# KiCad board AMC_FMC_Carrier-PcbDoc.kicad_pcb (continued)
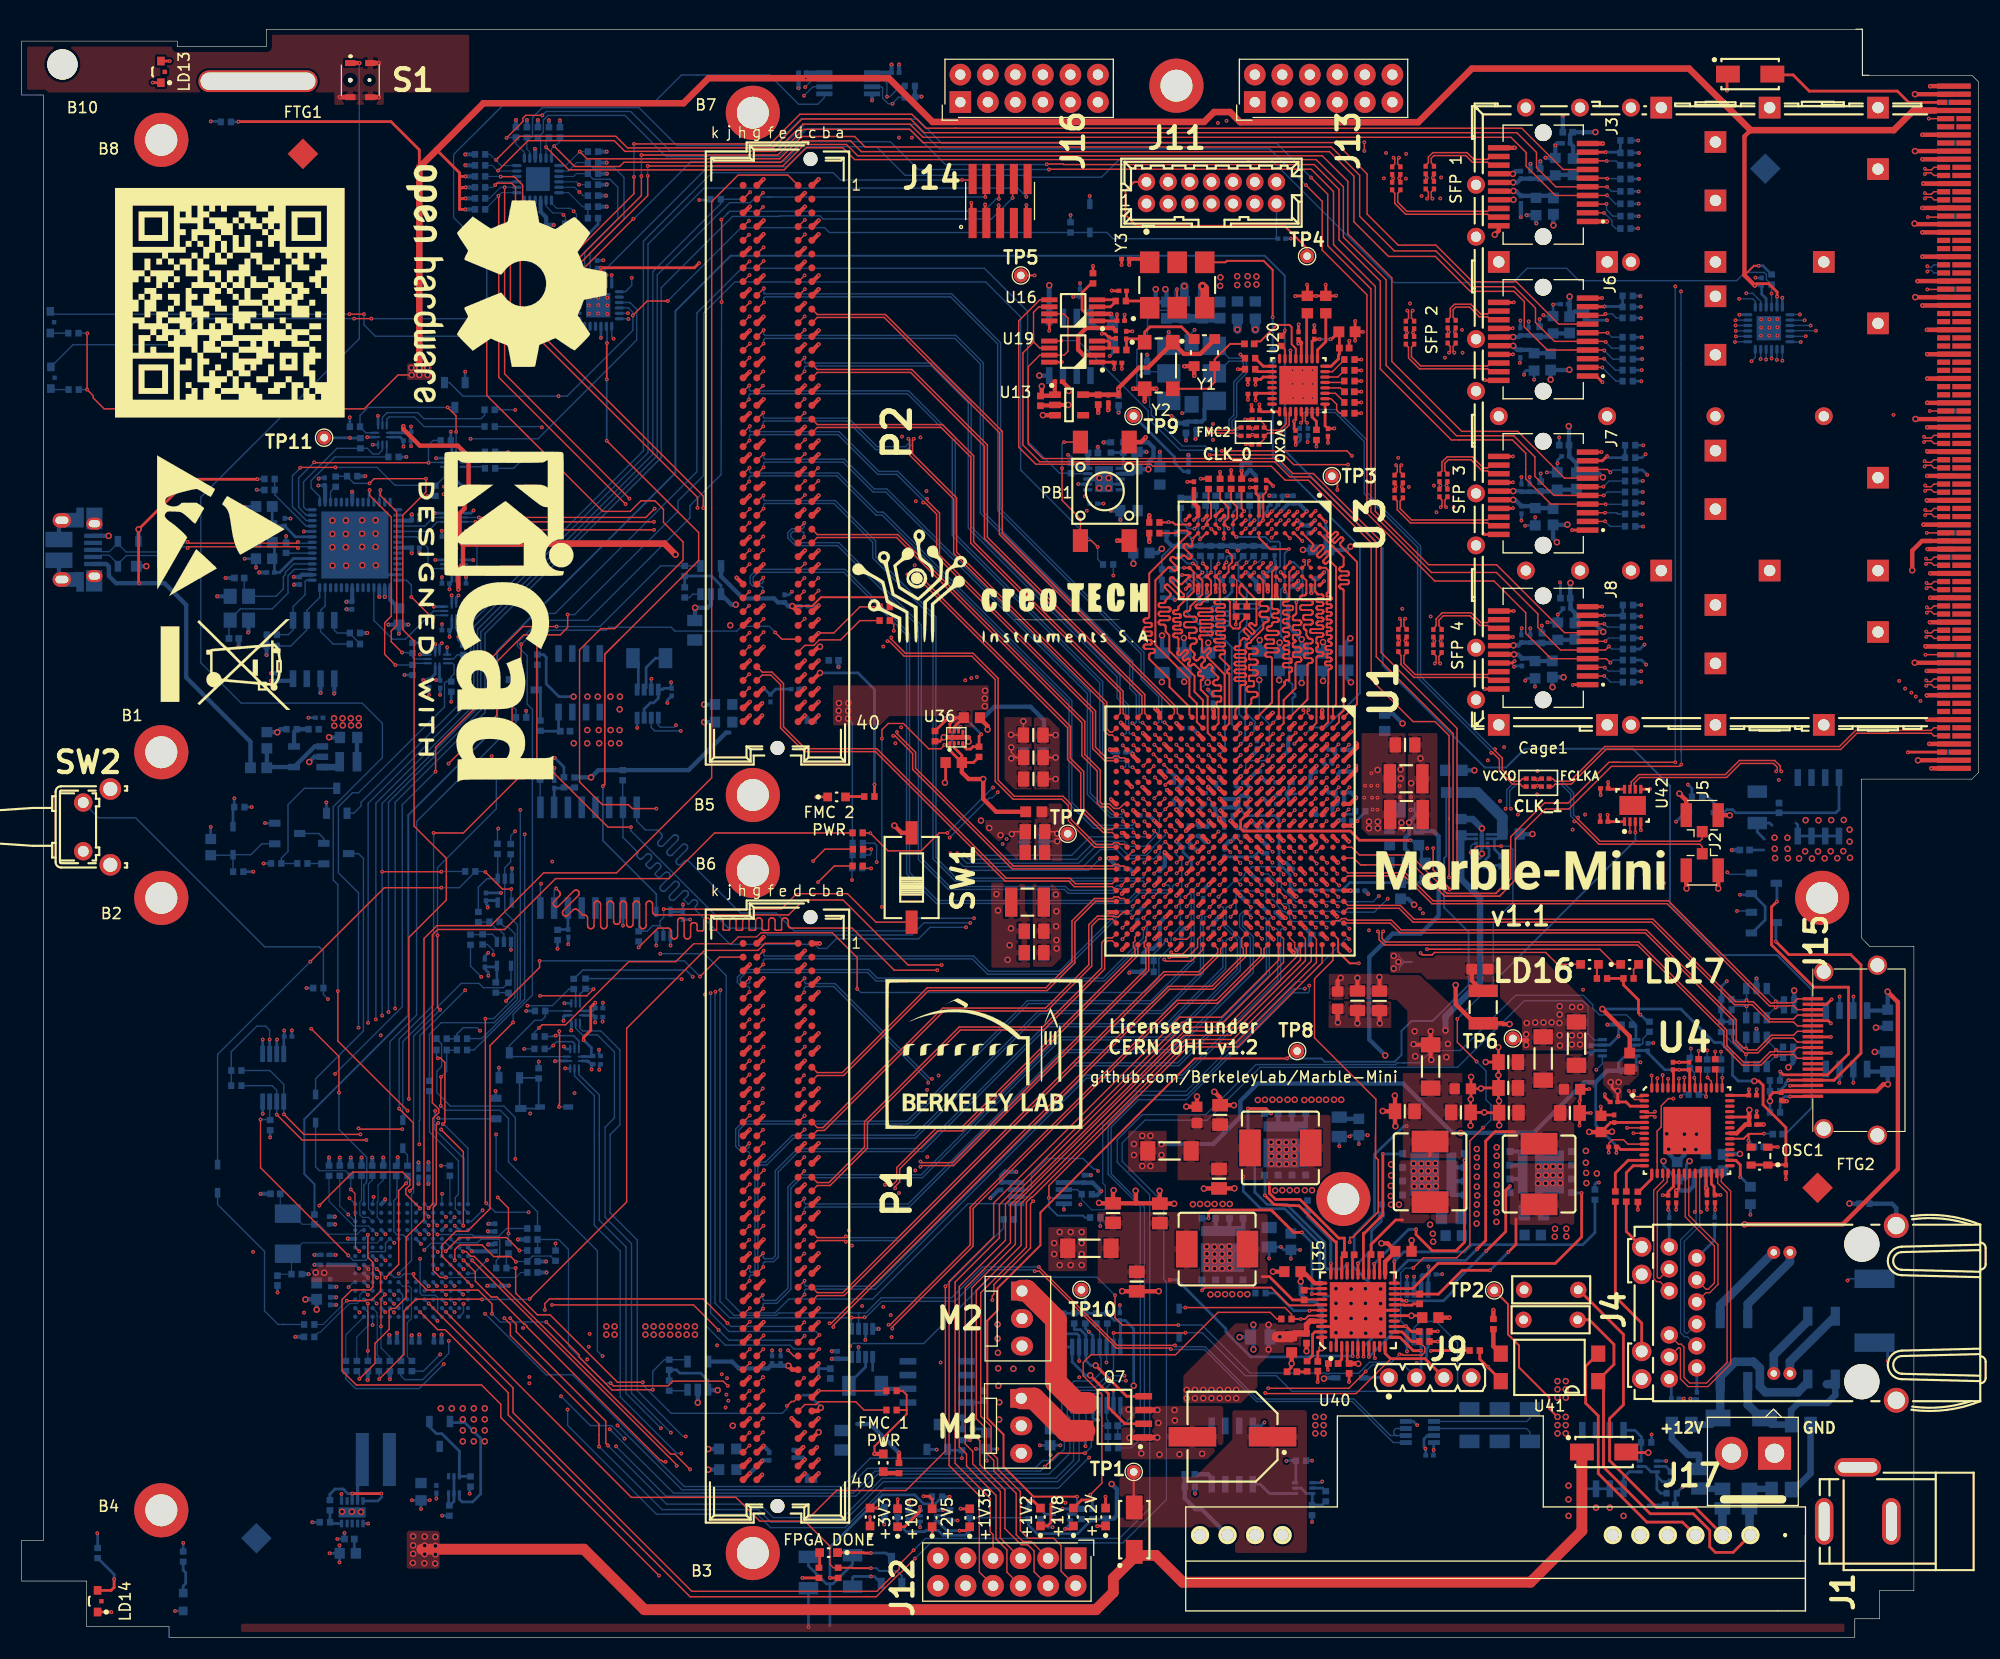
[diagram p0: board, top side]
## Routing (per net, layer and track width the routed paths; a pad name or vN(x,y) marks a point on that pad's centre or on a via; arc(x,y) is an arc through that point) (continued)
+3V3: length 178.5
  Top w0.178: v1(93.5,125.77) TP5.1
  Top w0.254: v1(130.71,28.26) 129.95,28.26 R167.1 ; v1(146.38,75.96) 146.4,75.94 C377.1 146.4,75.32 U42.1 ; R306.1 R307.1 147.84,60.25 149.23,58.87 149.23,57.67 v1(149.4,57.49) ; v1(72.06,5.5) 72.07,5.49 R163.1 ; v1(146.43,78.98) 146.42,78.98 C376.1 146.5,78.32 U42.8
  Top w0.381: C283.1 121.46,60.62 v2(121.74,60.9) ; v1(73.56,16.42) 72.96,15.82 P1.c39 ; 130.36,54.72 L31.2 ; P1.d40 71.69,14.55 v1(72.29,15.15) ; P2.d40 71.72,84.56 v1(72.29,85.13) ; L31.2 128.53,54.72 v2(128.47,54.77) ; L31.2 v2(130.05,55.97) ; L31.2 129.69,54.72 ; L31.2 130.05,53.38 v2(130.1,53.33) ; P1.d36 v1(71.07,20.23) ; U1.A17 122.64,68.96 v1(122.66,68.95) ; P2.c39 72.99,85.83 v1(73.56,86.4) ; U1.F22 117.03,63.59 v1(117.39,63.23) ; 131.56,54.72 v2(131.65,54.8) ; v1(118.45,70.52) 118.03,70.94 U1.E15 ; v2(125.32,60.97) 125.34,60.96 C287.1 ; v1(72.29,87.67) 71.72,87.1 P2.d38 ; v1(72.29,90.21) 71.72,89.64 P2.d36 ; U1.B14 121.44,71.55 v1(121.51,71.55) ; v1(120.48,64.49) 120.03,64.94 U1.C21 ; 128.6,55.97 v2(128.57,55.97) ; P1.d38 v1(72.14,17.56) ; C285.1 v2(123.29,60.9) ; v1(119.47,67.54) 119.05,67.96 U1.D18
  In2.Cu w0.254: v1(97.52,106.5) 96.58,107.44 v1(96.58,109.2)
  Bottom w0.127: v1(99.56,37.98) 99.55,37.98 R311.1
  Bottom w0.254: R82.1 149.59,107.8 v1(150.04,107.35) ; U37.8 132.95,74.15 C139.1 133.19,73.75 U37.7 ; v1(149.78,91.68) 149.36,91.26 R89.1 ; v1(149.25,132.4) 149.24,132.38 R35.1 ; R78.1 149.64,102.59 v1(149.66,102.58) ; v1(149.5,115.99) 149.49,116 R70.1 ; R207.1 156.87,56.84 R206.1 156.88,56.85 R208.1 R211.1 156.88,60.07 156.87,60.08 v1(157.38,60.59) ; R34.1 149.19,130.1 v1(149.2,130.11) ; C8.1 71.72,87.59 71.8,87.67 v1(72.29,87.67) ; v1(149.4,57.49) 149.43,57.49 150.06,56.86 R262.1 ; v1(50.16,52.54) 50.18,52.53 U9.10 ; v1(149.58,118.05) 149.57,118.03 R71.1 ; R79.1 149.62,104.75 v1(149.63,104.76) ; 147.39,56.43 147.39,55.51 146.58,54.7 144.83,54.7 144.8,54.67 ; R131.1 46.57,57.85 v1(46.57,57.84) ; R74.1 149.41,121.84 v1(149.45,121.81) ; R85.2 149.47,94.31 v1(149.48,94.3) ; R80.1 149.62,105.77 v1(149.63,105.78) ; v1(149.25,133.51) 149.24,133.53 R36.1 ; v1(149.48,93.28) 149.47,93.29 R186.1 ; R90.1 149.47,92.28 v1(149.48,92.27) ; 159.64,65.17 159.84,65.17 160.92,66.25 160.92,67.5 159.85,68.57 158.61,68.57 v1(158.6,68.58) ; R72.1 149.54,119.05 v1(149.55,119.06) ; v1(61.04,67.68) C78.1 61.02,67 U11.5 ; R76.2 149.57,108.94 v1(149.88,109.26) ; R87.1 149.47,88.21 v1(149.48,88.23) ; R248.1 79.63,10.44 v1(79.62,10.43) ; v1(149.53,120.05) 149.52,120.07 R73.1 ; U31.7 97.53,106.49 v1(97.52,106.5) ; v1(149.63,106.79) 149.62,106.78 R81.1 ; 52.29,53.2 52.55,52.95 52.61,52.95 52.61,52.44 v1(52.6,52.44) ; 52.29,53.2 52.18,53.2 52.16,53.23 51.73,53.23 U9.7 ; 52.29,53.2 52.19,53.2 ; U8.1 50.48,57.44 50.14,57.44 50.01,57.31 v1(50.01,56.93) ; v1(52.93,56.78) 52.94,56.79 C212.1 52.78,57.44 U8.7 ; v1(49.2,81.22) 50.05,80.37 R224.1 ; v1(149.94,89.83) 149.52,90.25 R88.1 ; R38.1 149.26,135.94 v1(149.27,135.96) ; R68.2 149.44,122.86 v1(149.45,122.87) ; v1(96.58,109.2) 96.64,109.2 96.85,108.99 R29.1 ; 50.73,56.52 U8.10 50.73,56.05 v1(50.72,56.04) ; R37.1 149.26,134.67 v1(149.27,134.68) ; R32.2 149.26,137.08 v1(149.27,137.07) ; R62.2 147.36,56.58
  Bottom w0.381: R55.2 v1(54,137.2) ; v2(121.74,60.9) 121.46,60.62 C283.1 ; v1(120.48,64.49) 120.04,64.93 C337.1 ; R49.2 v1(40.94,136.94) ; R56.2 v1(49.68,140.09) ; R53.2 v1(48.67,140.09) ; 147.36,56.58 v1(146.35,56.58) ; C335.1 118.03,70.94 v1(118.45,70.52) ; U46.1 80.28,144.48 C381.1 80.28,145.24 v1(80.29,145.25) ; 82.73,142.28 v1(83.06,142.28) ; R51.2 v1(46.63,140.12) ; R305.1 R304.1 ; C339.1 118.19,63.96 117.47,63.23 v1(117.39,63.23) ; R83.2 v1(53.95,133.13) ; R54.2 v1(47.65,140.12) ; R50.2 40.97,135.93 v1(40.94,135.95) ; v1(54,134.18) 53.97,134.15 R91.2 ; v1(45.62,140.12) 45.62,140.12 R52.2 ; v1(103.88,118.45) 103.89,118.43 R308.1
  Bottom w0.4: C64.1 71.86,17.29 v1(72.14,17.56) ; 163.54,54.42 163.54,53.56 R141.1 163.52,53.1 v2(163.07,52.64) ; v1(72.29,85.13) 72.5,84.92 C7.1 ; v2(141.12,116.14) L42.1 142.82,117.03 v2(142.85,117.06) ; v2(105.56,124.5) 105.66,124.4 L11.1 104.76,123.3 104.67,123.39 v2(104.67,124.5) ; 157.05,44.64 v2(158.6,44.64) ; v2(145.95,107.12) 145.54,107.53 L5.1 143.51,108.4 C82.1 142.84,110.06 C83.1 142.82,111.83 v2(142.8,111.85) ; 98.87,40.83 99.27,40.83 v1(99.64,41.2) 98.86,41.98 C387.1 98.04,42 U47.1 ; v1(72.29,15.15) 72.51,14.93 C63.1 ; v2(141.71,101.13) 141.35,101.49 L6.1 142.64,102.73 v2(142.67,102.76) ; 163.6,58.04 R226.1 163.6,59.73 v2(163.6,59.73) ; v2(141.3,87.74) 141.27,87.77 L8.1 142.3,88.67 v2(142.32,88.66) ; L1.1 143.2,137.69 C28.1 142.92,138.76 C29.1 145.25,138.99 v2(145.26,139) ; L41.1 143.34,122.42 C71.1 ; L41.1 v2(142.87,123.81) ; L41.1 142.87,122.98 C70.1 ; L2.1 v2(141.38,130.39) ; v1(122.66,68.95) C333.1 ; v2(142.95,97.37) 142.93,97.35 C95.1 142.96,95.93 C94.1 143.37,94.6 L7.1 145.16,93.66 v2(145.97,92.85) ; C24.1 98.4,109.34 U31.10 97.57,107.96 97.07,108.46 96.86,108.46 R29.1
  Bottom w0.6: C139.1 132.87,70.01 134.61,68.27 134.61,60.53 131.42,57.34 v2(131.42,56.04)
  vias: v1(147.38,55.5) v2(128.62,53.66) v2(131.5,53.58)
+3V3_CLEAN: length 35.9
  Top w0.254: v1(101.09,122.19) 101.1,122.18 C112.1 101.09,121.57 U16.1 ; U19.1 100.78,117.76 C117.1 100.84,117.11 v1(100.84,117.11) ; R94.1 v1(119.51,109.97) ; v1(98.88,126.64) R58.2 ; U20.1 114.38,113.18 C196.1 114.25,113.32 v1(114.25,113.86) ; 102.23,126.74 v1(102.23,126.73) ; U20.30 113.95,114.88 C116.1 113.89,114.23 v1(113.89,114.22) ; L26.2 123.08,121.54 v1(123.09,121.55) ; L26.2 v1(123.08,119.74) ; L26.2 v1(123.8,120.56) ; 118.11,119.61 C125.1 117.83,119.83 v1(117.83,119.47) 118.08,119.47 118.11,119.5 118.11,119.61 ; 118.11,119.61 U20.20 ; U20.27 114.58,116.38 114.37,116.17 C124.1 113.89,115.67 v1(113.88,115.66) ; C122.1 117.45,111.58 v1(117.45,112.31) 117.61,112.46 U20.4 ; 103.8,127.29 Y3.6 ; U20.9 120.31,111.88 C210.1 121.13,111.61 v1(121.16,111.65)
  Top w0.354: 103.8,127.29 C115.1 102.23,126.74
  Top w0.381: U13.3 94.27,112.85 v2(94.26,112.86) ; 94.16,115.28 v2(94.16,115.53) ; U13.1 95.36,114.77 C80.1
  Top w0.402: 94.16,115.28 94.16,114.66 95.28,114.66 U13.1
  Bottom w0.254: C110.1 v1(97.69,125.06)
  Bottom w0.381: Y6.6 109.94,114.18 109.17,113.42 109.17,112.51 108.93,112.27 C384.1 107.62,112.27 C383.1 106.78,112.12 v1(106.13,112.77)
  vias: v2(110.64,125.59) v2(110.62,124.8) v2(112.19,125.69) v2(112.19,124.88) v2(113.16,125.69) v2(113.16,124.93) v2(113.97,125.67) v2(113.97,124.93)
+3V3_USB: length 50.5
  Bottom w0.254: R121.1 35.34,88.86 v1(35.33,88.87) ; v1(37.06,88.39) 37.08,88.41 C178.1 38.17,88.97 U24.7 ; v1(36.77,90.77) 36.78,90.75 U24.10 ; v1(38.18,91.73) 38.17,91.72 U24.1 ; U25.10 38.05,95.18 v1(38.05,95.17) ; U15.10 38.18,99.5 v1(38.18,99.49) ; v1(39.62,111.34) 39.61,111.33 R124.1 39.7,110.44 U26.1 ; TP11.1 27.93,110.77 v1(30.31,110.77) ; v1(36.73,91.83) 36.73,91.83 R123.1 ; C164.1 27.39,106.37 v1(27.38,106.36) ; v1(30.31,110.77) 30.34,110.74 R125.1 ; v1(30.31,110.77) 30.29,110.79 ; U26.7 39.7,106.44 C182.1 39,106.27 v1(38.99,106.26) ; U25.7 39.7,93.21 C180.1 39.49,92.4 v1(39.5,92.39) ; U33.10 32.4,110.14 v1(32.4,110.13) ; R122.1 37.46,105.41 v1(37.45,105.4) ; L24.1 20.88,101.13 v1(20.24,101.76) ; R126.1 v1(35.51,109) ; U33.7 34.93,110.84 C183.1 35.23,109.96 v1(35.24,109.96) ; L25.1 20.57,104.43 v1(20.55,104.41) ; v1(38.25,108.89) 38.26,108.9 U26.10 ; v1(39.48,96.77) 39.49,96.78 C355.1 39.7,97.53 U15.7 ; R270.1 v1(21.39,70.7) ; v1(39.48,101.09) 39.49,101.1 C184.1 39.7,101.85 U38.7 ; R271.2 v1(22.33,71.46) ; v1(39.71,104.77) 39.7,104.77 U38.1 ; D16.1 19.51,76.56 R272.2 19.62,77.47 v1(19.63,77.48)
  Bottom w0.381: v1(23,88.33) 23,88.33 C163.1 24.85,88.33 U21.8 ; R113.1 v1(31.89,92.75) ; v1(29.97,95.63) 29.98,95.64 C170.1 30.51,95.64 U23.50 ; v1(22.61,90.7) R115.1 22.62,91.55 R117.1 ; U23.16 28.01,106.32 C164.1 ; U23.31 35.96,103.13 C176.1 36,103.69 v1(36,103.7) ; v1(36,100.11) 36,100.12 C177.1 35.99,100.63 U23.36 ; v1(25.12,97.93) 25.13,97.92 C169.1 25.88,98.13 U23.2 ; v1(27.6,87.21) 27.58,87.22 U21.6 ; v1(33.51,96.09) 33.51,96.09 U23.44
  Bottom w0.4: L23.2 30.95,83.07 C172.1
  vias: v2(28.83,84.87) v2(28.85,84.19) v2(29.62,84.87) v2(29.64,84.21) v2(30.38,84.87) v2(30.4,84.21) v2(31.11,84.87) v2(31.11,84.21)
+3V3P: length 576.4
  Top w0.127: P3.4 176.65,141 ; v2(35.99,116.57) 34.74,116.57 31.61,113.45 7.61,113.45 6.61,114.45 6.61,114.65 v1(6.03,115.23) 6.03,120.38 v1(6.07,120.41)
  Top w0.178: 159.01,125.78 159.89,126.66 v1(160.32,126.66)
  Top w0.254: 87.65,130.68 v1(87.65,132.47) ; 40.41,132.85 40.41,131.88 40.43,131.86 v1(40.94,131.86) ; 40.41,132.85 40.41,133.35 ; 40.41,132.85 40.69,132.85 40.72,132.88 v1(40.97,132.88) ; 40.41,133.85 40.41,134.85 40.48,134.91 v1(40.97,134.91) ; 40.41,133.85 40.41,133.35 ; 40.41,133.85 40.67,133.85 40.72,133.9 v1(40.97,133.9) ; v1(162.03,123.81) 162.03,124.23 161.26,125 160.14,125 v1(159.97,124.83) ; 40.41,133.35 40.41,135.25 38.31,137.35 ; 36.7,135.75 36.7,137.36 34.09,139.97 v1(20.01,139.97) ; v1(130.07,26.45) 130.1,26.48 R179.1 ; v1(50.5,124.27) 51.52,124.27 53.48,126.22 v1(53.48,126.47) 62.09,126.47 v1(62.52,126.91)
  Top w0.4: 159.59,139.18 159.01,138.6 159.01,125.78 v1(159.97,124.83)
  Top w0.6: 176.65,141 174.61,141 172.8,139.18 159.59,139.18 153.9,144.87 133.86,144.87 128.9,139.92 112.47,139.92 111.53,140.86 110.06,140.86 109.14,139.94 84.07,139.94 80.03,143.98 63.4,143.98 61.09,141.67 42.62,141.67 38.31,137.35 36.7,135.75 36.7,116.98
  In2.Cu w0.254: v1(98.18,17.65) 97.61,18.22 v1(97.61,24.02) ; v1(129.84,34.25) 129.56,33.97 129.56,26.13 v1(128.76,25.33)
  In2.Cu w0.4: v1(84.82,25.38) 84.64,25.55 84.64,32.73 90.96,39.04 90.96,42.16 v1(91.8,42.99) ; v2(65.4,93.46) 65.4,104.91 62.53,107.78 v1(62.53,132.73) 64.94,135.13 71.11,135.13 71.12,135.14 74.57,135.14 75.85,133.86 86.26,133.86 v1(87.65,132.47)
  In4.Cu w0.254: v1(130.33,17.31) 130.33,22.14 129.95,22.52 129.95,24.55 129.17,25.33 v1(128.76,25.33)
  In5.Cu w0.381: 47.21,132.99 47.21,130.47 v1(45.48,128.74) ; 47.21,132.99 49.14,132.98 ; 47.21,132.99 46.29,133 43.03,129.73 42.41,129.15 36.7,123.41 v2(36.7,117.23) ; 49.14,132.98 49.14,130.68 49.12,130.66 v1(49.12,130.42) 49.12,129.86 v1(50.19,128.79) v1(51.23,128.79) ; 49.14,132.98 51.92,133 54,135.08 v1(54,136.18)
  Bottom w0.127: R309.1 R310.1 19.34,54.08 21.71,56.45 22.51,56.45 22.88,56.07 v1(22.88,55.21) ; v1(6.07,120.41) 6.07,120.43 R265.1 ; 6.04,115.22 v1(6.03,115.23) R264.1
  Bottom w0.254: U2.E12 39.6,32.81 v1(39.95,32.45) ; U2.E10 37.99,32.79 v1(38.33,32.45) ; U2.L4 33.2,37.61 v1(33.58,37.22) ; v1(37.57,38.85) 37.21,39.21 U2.N9 ; v1(31.98,32.42) 31.59,32.81 U2.E2 ; U2.G1 30.79,34.4 v1(31.14,34.05) ; 38.79,37.6 U2.L11 38.79,37.61 v1(39.17,37.99) ; v1(34.37,30.8) 33.99,31.17 U2.C5 ; U2.J14 41.2,36.01 v1(41.55,35.65) ; v1(37.57,32.42) 37.19,32.8 U2.E9 ; v1(36.85,36.33) 36.39,36.8 U2.K8 ; v1(38.25,88.4) 38.26,88.41 38.62,88.41 38.57,88.47 U24.6 ; U45.1 63.36,23.71 62.67,24.4 60.74,24.4 60.44,24.7 R260.1 R261.1 ; v1(129.84,34.25) 129.85,34.25 C192.2 ; v1(22.88,55.21) 22.89,55.2 U28.6 ; v1(53.48,126.47) 53.49,126.49 53.49,126.49 53.16,126.49 C342.1 52.96,126.3 U39.21 ; 101.86,29.27 101.88,29.25 ; 101.86,29.27 102.64,28.49 v2(102.64,23.23) ; 101.86,29.27 C190.1 ; U28.7 23.54,55.18 v1(23.57,55.21) ; v1(20.01,139.97) 19.99,139.94 R266.1 ; 43.76,68.04 U7.5 ; 43.76,68.04 42.9,68.04 42.9,67.7 43.02,67.59 v1(43.02,67.4) ; 43.76,68.04 43.13,68.04 ; R39.1 52.33,129.62 53.2,130.49 R274.1 ; R178.1 v1(22.94,46.16) ; v1(98.18,17.65) 98.17,17.67 R172.1 ; C190.1 101.41,29.21 U27.8 101.41,28.78 ; C190.1 100.86,29.27 R130.1 R173.1 R177.1 ; C380.1 130.33,16.83 v1(130.33,17.31) 130.33,17.96 U43.4 ; v1(162.03,123.81) 162.01,123.8 U34.23 ; U29.7 129.16,33.39 129.29,33.51 C192.2 ; C192.2 129.81,33.48 U29.8 ; U25.6 40.1,93.21 40.31,93 40.31,92.4 v1(40.31,92.39) 40.31,92.13 R273.1 ; Q15.4 40.4,12.75 40.65,12.51 41.63,12.51 42.37,13.25 42.37,18.38 40.91,19.83 39.38,19.83 ; 50.49,124.27 v1(50.5,124.27) U39.18 ; v1(6.98,9.61) 7.01,9.59 R267.1 ; R268.1 v1(14.91,8.72) ; R263.1 v1(26.29,59.96) ; R259.1 R258.1 63.67,98.01 64.55,97.13 U44.1 ; v1(30.28,112.66) 30.29,112.65 R204.1 ; v1(159.97,124.83) 159.97,124.83 C215.1 160.6,124.04 161.01,123.63 U34.21 ; R177.1 98.17,31.74 TP10.1 ; R177.1 R176.1 R175.1 R174.1 ; R199.1 160.72,126.66 v1(160.32,126.66) ; U32.7 57.46,85.72 58.03,86.3 58.34,86.3 58.76,86.72 U32.4 59.14,87.52 59.25,87.64 C351.1 59.94,87.69 v1(59.94,88.2) ; R246.1 47.71,53.16 v1(47.73,53.17) ; v1(43.07,61.09) 43.07,61.41 42.71,61.77 42.85,61.91 43.76,61.91 U10.5 43.86,60.32 ; R205.1 63.54,132.75 63.5,132.75 63.47,132.73 v1(62.53,132.73) ; U28.8 24.19,55.44 C191.2 24.24,56.04 v1(24.23,56.04) ; R128.1 v1(39.65,86.4)
  Bottom w0.381: R133.1 v1(29.36,44.31) ; v1(43.03,37.5) 43.05,37.48 C204.1 ; C208.1 v1(36.63,41.87) ; v1(29.03,31.41) 29.03,31.4 C203.1 ; R145.1 v1(45.8,36.74) ; R134.1 v1(28.37,44.31) ; R138.2 v1(30.38,44.31) ; R143.1 v1(48.44,33.69) ; v1(28.93,38.14) 28.92,38.14 C205.1 ; C202.1 v1(37.54,41.87) ; C207.1 30.79,34.4 U2.G1 ; v1(36.7,27.95) 36.7,27.95 C201.1 ; C198.1 v1(42.98,32.47) ; C197.1 38.75,27.95 v1(38.76,27.95) ; v1(34.64,28.1) 34.64,28.1 C206.1 ; v1(30.1,36.82) 30.11,36.81 U2.K1 ; C209.1 v1(28.98,35.32) ; R40.1 v1(50.19,128.79) ; R139.2 v1(33.98,23.84) ; R45.2 v1(40.97,132.88) ; v1(31.93,23.76) 31.95,23.79 R140.2 ; v1(51.23,128.79) 51.21,128.82 R39.1 ; U5.21 47.9,131.64 48.41,131.13 C40.2 49.1,130.44 v1(49.12,130.42) ; R47.2 v1(40.97,134.91) ; R46.2 v1(40.94,131.86) ; R75.2 v1(54,136.18) ; R41.1 45.36,128.85 v1(45.48,128.74) ; 43.61,35.65 v1(41.55,35.65) ; R48.2 v1(40.97,133.9) ; R57.2 v1(54.02,135.17)
  Bottom w0.4: D5.1 120.27,23.96 v2(120.2,23.9) ; v2(26.19,31.2) 26.2,31.22 L9.1 v2(27.23,30.26) ; v1(74.78,25.72) 74.78,25.72 76.43,25.72 U17.4 ; U44.1 65.51,95.36 v2(65.91,95.36) ; v1(91.8,42.99) 90.76,42.99 90.41,42.64 C388.1 91.77,42.02 U47.8 ; U45.1 63.4,22.82 v2(64.24,22.82) ; U46.8 72.41,144.48 C382.1 72.41,143.99 v1(72.39,143.97)
  vias: v2(35.97,117.23) v2(36.7,116.57) v2(37.44,117.23) v2(37.46,116.57) v2(38.68,21.15) v2(39.7,21.15) v2(40.72,21.15) v2(40.72,20.13) v2(40.72,19.11) v2(40.72,18.1) v2(41.73,21.15) v2(41.73,20.13) v2(41.73,19.11) v2(41.73,18.1) v2(42.75,21.15) v2(42.75,20.13) v2(42.75,19.11) v2(42.75,18.1)
+5V: length 1
  Top w0.254: C363.1 118.6,24.52 R193.1
+12V: length 108.3
  Top w0.4: v2(172.23,59.63) 172.64,59.19 173.18,58.66 173.18,43.24 168.07,38.14 v2(159.03,38.14) ; 117.48,28.07 C105.1
  Top w0.45: 118.91,29.2 118.91,29.21 U35.41
  Top w0.5: 119.35,29.2 118.91,29.2 118.59,28.88 C137.1 ; 117.48,28.07 117.16,27.75
  Top w0.6: C137.1 117.48,28.07
  Top w1: 115.88,27.75 117.16,27.75
  Bottom w0.127: R301.2 139.22,20.23 138.92,19.94 U43.1 ; R254.1 92.79,11.05 R252.1
  Bottom w0.254: R202.1 88.71,19.24 C344.1 ; R249.1 80.85,10.56 81.65,9.76 83.35,9.76 83.47,9.88 84.59,9.88 85.04,9.43 87.07,9.43 87.48,9.83 R252.1 ; R254.1 92.93,10.36 93.71,9.58 97.47,9.58 98.81,10.92 R256.1 100.05,10.92 R257.1 ; v2(50.94,86.87) 49.59,86.87 48.42,88.05 48.42,90.5 48.16,90.75 R203.1
  Bottom w0.4: Q12.3 132.1,42.13 ; R257.1 100.81,10.97 101.09,11.25 101.09,13.68 v2(100.61,14.16) ; C141.1 116.1,27.72 v2(116.13,27.75) ; 132.16,43.34 132.21,43.4 Q12.2 ; v2(172.23,59.63) 172.24,59.62 172.24,58.11 172,57.88 U12.8 ; Q10.2 110.21,37.51 ; Q11.4 118.52,47.15 ; Q13.2 138.55,42.33 ; Q12.10 131.96,40.9 132,40.86 Q12.4 ; Q11.2 115.98,47.19 ; C161.1 121.78,47.88 C153.1 ; Q11.3 117.25,47.19 ; Q10.4 112.75,37.68 ; Q13.4 138.48,44.87 ; Q13.3 138.55,43.6 ; Q10.3 111.48,37.51 ; v2(115.09,28.87) v2(115.09,26.58)
  vias: v2(50.95,82.56) v2(52.22,86.87) v2(52.21,83.78) v2(52.2,82.56) v2(53.17,86.87) v2(53.26,83.78) v2(53.3,82.56) v2(53.96,28.71) v2(53.96,27.95) v2(54.34,86.87) v2(54.36,83.78) v2(54.39,82.56) v2(54.72,28.71) v2(54.72,27.95) v2(55.22,86.87) v2(55.19,85.7) v2(55.18,83.78) v2(55.17,82.56) v2(57.57,28.71) v2(57.57,27.95) v2(58.33,28.71) v2(58.33,27.95) v2(59.09,28.71) v2(59.09,27.95) v2(59.85,28.71) v2(59.85,27.95) v2(60.62,28.71) v2(60.62,27.95) v2(61.38,28.71) v2(61.38,27.95) v2(62.14,28.71) v2(62.14,27.95) v2(90.08,28.9) v2(90.08,27.58) v2(90.11,26.28) v2(90.13,24.84) v2(90.14,23.23) v2(90.23,21.7) v2(90.22,20.12) v2(91.54,24.8) v2(93.2,24.79) v2(107.53,22.85) v2(107.53,22.08) v2(108.1,39.99) v2(108.29,22.85) v2(108.29,22.08) v2(108.76,40.02) v2(109.05,22.85) v2(109.05,22.08) v2(109.45,40.02) v2(109.82,22.85) v2(109.82,22.08) v2(110.11,40.02) v2(110.58,22.85) v2(110.58,22.08) v2(110.84,40.02) v2(111.34,22.85) v2(111.34,22.08) v2(111.51,40.02) v2(112.1,22.85) v2(112.1,22.08) v2(114.1,49.62) v2(114.76,49.64) v2(115.44,49.64) v2(116.1,49.64) v2(116.84,49.64) v2(117.5,49.64) v2(118.39,49.62) v2(119.05,49.64) v2(119.73,49.64) v2(120.4,49.64) v2(121.13,49.64) v2(121.79,49.64) v2(134.31,45.1) v2(134.31,44.31) v2(134.31,43.45) v2(134.31,42.53) v2(134.31,41.62) v2(134.34,40.8) v2(134.31,39.97) v2(134.29,39.1) v2(134.29,38.21) v2(136.14,45.25) v2(136.14,44.46) v2(136.14,43.6) v2(136.14,42.68) v2(136.14,41.77) v2(136.14,40.12) v2(136.12,39.26) v2(136.12,38.37) v2(136.17,40.96) v2(141.76,23.66) v2(141.76,22.9) v2(141.76,22.14) v2(142.52,23.66) v2(142.52,22.9) v2(142.52,22.14)
+12V_AMC: length 31.6
  Top w0.4: 176.23,101.25 175.57,101.25 ; 176.23,101.25 175.4,101.25 174.5,100.34 v2(174.5,98.54) ; 176.23,101.25 P3.57 ; v2(174.75,142.51) 174.76,142.5 P3.2 ; v2(175.03,80.99) 175.04,81 P3.84 ; P3.27 174.79,123.75 v2(174.78,123.76) ; P3.42 174.81,112.5 v2(174.8,112.51) ; v2(174.71,130.55) 174.77,130.5 P3.18 ; P3.9 174.75,137.25 v2(174.75,137.25) ; P3.72 174.73,90 v2(174.73,90)
+12V_FMC1: length 13.2
  Top w0.381: 73.56,18.96 72.96,18.36 P1.c37 ; P1.c35 72.96,20.9
  Top w0.4: v2(73.76,21.2) 73.47,20.9 P1.c35 ; 73.56,18.96 v2(73.56,18.94) ; R235.1 v1(80.97,17.04)
  Bottom w0.254: U17.2 77.9,24.98 76.35,23.43 R182.2 ; v2(73.76,21.2) 73.76,21.3 72.69,22.36 72.1,22.36
  Bottom w0.4: v1(80.97,17.04) 78.32,19.7 77.13,19.7
+12V_FMC2: length 21.5
  Top w0.254: R236.1 78.71,77.65 v1(78.71,78.75)
  Top w0.381: P2.c37 72.99,88.37 73.56,88.94 ; P2.c35 72.99,90.91 73.56,91.48
  Bottom w0.254: v2(73.68,89.06) 77.19,89.06 78.71,87.54 v1(78.71,78.75) ; R183.2 58.51,90.42 57.63,89.55 57.63,87.69 U32.2
  vias: v2(73.68,91.48)
/FPGA/FPGA_PWR&MISC/GNDADC: length 32.5
  Top w0.381: v1(110.58,77.44) 111.03,76.99 U1.M9 ; v1(112.29,77.41) 112.29,77.22 U1.L9 ; v1(112.48,76.43) 112.03,75.98 U1.L10 ; v1(110.64,76.36) 111.03,75.98 U1.M10 ; U1.K9 113.03,76.98 v1(113.44,77.38)
  Bottom w0.254: v1(112.48,76.43) 113.03,75.88 115.7,75.88 116.05,75.52 116.05,71.38 116.33,71.11 116.41,71.11 116.79,70.73 116.79,70.7 117.07,70.42 117.07,69.3 117.37,69 121.9,69 122.59,69.7 L28.2 128.99,69.7 129.21,69.91
  Bottom w0.381: v1(113.44,77.38) 113.09,77.73 C224.2 112.62,77.73 v1(112.29,77.41)
  Bottom w0.4: 110.67,76.36 110.95,76.64 112.02,76.64 112.24,76.43 v1(112.48,76.43) 112.29,76.62 v1(112.29,77.41) 110.62,77.41 v1(110.58,77.44)
/FPGA/FPGA_PWR&MISC/VCCADC: length 21.6
  Top w0.254: U1.K10 112.51,75.44 112.51,74.7 112.75,74.46 122.63,74.46 123.48,73.61 v1(128.17,73.61)
  Top w0.381: U1.K10 113.03,76.02 v1(113.44,76.43)
  Bottom w0.254: v1(128.17,73.61) 128.31,73.61 129.21,72.71 129.21,71.51
  Bottom w0.381: v1(113.44,76.43) 112.93,76.94 C224.1
/Power/+12VS: length 35.4
  Top w0.178: TP2.1 137.18,30.77 137.18,27.98 138.2,26.96 138.2,24.93 140.99,22.14 140.99,21.12 v2(141.76,20.36)
  Bottom w0.127: U43.2 138.89,19.29 139.22,18.96 R301.1
  Bottom w0.254: C131.1 160.78,72.7 ; Q22.4 119.93,14.28 v1(120.04,14.39) ; v1(151.79,16.29) 151.78,16.29 Q1.4 ; 163.76,75.19 163.93,75.02 Q3.8 Q3.5 ; 161.57,74.98 161.35,75.19 R111.1 160.2,74.37 160.86,73.7
  vias: v2(119.4,20.36) v2(119.4,19.6) v2(119.4,18.83) v2(120.17,20.36) v2(120.17,19.6) v2(120.17,18.83) v2(141.76,19.6) v2(141.76,18.83) v2(142.52,20.36) v2(142.52,19.6) v2(142.52,18.83) v2(161.79,73.85) v2(161.81,72.82) v2(161.84,71.96) v2(162.98,73.84) v2(163,72.81) v2(163.02,71.95) v2(164.06,71.93) v2(164.66,75.46) v2(164.61,72.58) v2(165.24,71.92) v2(165.84,75.45) v2(165.8,72.57) v2(166.41,71.94) v2(167.02,75.47) v2(166.97,72.59) v2(167.58,71.95) v2(168.13,72.61) v2(168.18,75.48) v2(168.72,74.59) v2(168.72,73.48) v2(168.75,71.99)
GND: length 956
  Top w0.127: v1(148.46,74.36) 148.44,74.38 U42.2 ; v2(91.34,82.18) 91.34,81.72 91.82,81.24 C240.2 91.41,81.24 v2(91.34,81.17) ; U4.10 148.25,45.55 147.85,45.95 146.81,45.95 146.49,45.63 C55.2 ; C235.2 91.6,74.4 v2(91.39,74.18) ; 114.45,67.54 v1(114.5,67.54) ; v1(80.49,92.95) 80.49,93.52 R300.1 ; v2(91.31,83.35) 91.34,83.32 C255.2 92.47,84.58 v2(92.46,84.59)
  Top w0.178: 81.69,20.99 81.69,20.61 78.71,17.64 v1(78.71,16.94) ; 81.69,20.99 81.69,22.39 81.3,22.77 R297.1 ; 81.69,20.99 R298.1 ; R28.2 112.09,93.57 v1(112.06,93.54)
  Top w0.254: v1(113.18,114.29) 113.19,114.29 C116.2 ; v1(167.06,58.91) 166.59,58.44 165.04,58.44 ; J8.14 137.63,92.38 v1(137.64,92.39) ; v1(115.39,103.97) 115.19,103.77 115.19,103.77 U3.G1 ; 109.4,97.17 U3.P9 109.39,96.54 v1(109.4,96.53) ; U35.45 121.34,28.21 U35.2 ; U35.45 121.84,28.71 U35.42 ; U35.45 U35.17 ; R98.1 v1(123.66,116.01) ; 143.8,48.42 143.8,47.27 v1(143.79,47.26) ; 143.8,48.42 143.8,49.51 v1(143.79,49.52) 143.85,49.58 C349.2 144.65,50.61 v1(144.68,50.63) ; 143.8,48.42 v1(144.83,48.42) ; U3.J8 113.4,97.97 v1(113.77,98.34) ; v1(163.22,50.94) 165.04,50.94 165.04,50.94 ; J6.14 137.6,120.87 v1(137.62,120.89) ; U3.E8 116.59,97.99 ; 136.4,47.28 136.36,47.32 C340.2 ; C341.2 134.75,50.74 v2(134.7,50.69) ; C341.2 136.31,49.58 v2(136.36,49.53) C340.2 ; C341.2 136.31,51.89 v2(136.3,51.9) 136.31,51.92 C345.2 ; C120.2 118.67,124.89 v1(118.64,124.92) ; C120.2 117.58,123.88 v1(117.55,123.85) ; C120.2 119.44,123.88 v1(119.46,123.86) 119.47,123.88 C121.2 ; J8.1 143.21,87.98 v1(143.18,87.95) ; J7.14 137.63,106.65 v1(137.64,106.67) ; R101.1 v1(123.65,113.04) ; v1(102.51,120.61) 102.51,120.61 C109.2 ; C49.2 v1(155.55,39.51) ; C348.2 133.77,51.69 133.78,51.7 ; C348.2 134.59,50.66 134.62,50.69 ; C348.2 133.77,49.76 133.74,49.73 C330.2 ; v1(112.49,118.47) 112.83,118.12 R96.1 ; v1(145.87,123.68) 145.86,123.67 J6.10 ; v1(100.61,124.37) 100.63,124.35 C108.2 ; C122.2 117.59,110.74 v1(117.59,110.12) ; C117.2 101.54,117.14 v1(101.55,117.13) ; v1(145.9,115.91) 145.33,116.47 J6.1 ; 84.05,10.21 v1(84.05,9.47) ; v1(134.92,101.89) 134.96,101.85 J7.20 ; v1(78.29,11.11) 78.31,11.1 LD4.1 ; v1(160.15,50.61) 160.12,50.58 C54.2 ; v2(137.34,56.63) 137.29,56.63 137.21,56.7 ; 145.59,42.02 v1(145.57,42) ; J7.11 137.64,109.05 v1(137.64,109.05) ; U36.5 86.87,83.21 86.77,83.11 U36.9 85.77,83.11 ; U20.22 117.11,118.83 v1(117.11,118.83) ; v2(85.22,78.93) 85.28,78.99 C143.2 ; v1(156.32,39.48) 156.29,39.51 C52.2 ; C376.2 145.72,77.81 v1(145.74,77.79) ; v1(149.45,74.54) 149.44,74.55 U42.4 ; v1(107.42,103.19) 107.79,103.56 U3.T1 107.8,103.57 ; U3.A9 119.84,97.17 v1(120.22,97.55) ; C112.2 101.8,122.13 v1(101.8,122.14) ; v1(99.26,10.26) 99.29,10.29 LD10.1 ; v1(146.48,44.77) 146.49,44.77 C55.2 ; U42.5 150.27,78.32 v1(150.29,78.35) ; v1(119.61,23.58) 119.63,23.61 C362.2 ; 107.8,97.17 v1(107.44,96.81) ; v1(116.97,103.16) 116.59,102.79 U3.E2 ; 160.14,48.04 160.14,48.6 v1(160.15,48.6) ; v1(110.62,103.19) 110.99,103.56 U3.M1 110.99,103.59 ; v1(123.66,115.04) 123.65,115.02 123.02,115.02 ; C53.2 145.85,48.24 C57.2 145.77,48.98 v1(145.74,49.01) ; J7.10 145.81,109.45 v1(145.82,109.46) ; v1(119.43,104.03) 118.99,103.59 U3.B1 ; R189.2 84.75,82.75 v2(85.11,83.12) ; C124.2 113.19,115.7 v1(113.17,115.68) ; C123.2 122.52,119.72 v1(122.54,119.74) ; C20.2 114.98,106.85 v1(115.51,106.32) ; U3.D1 117.39,103.59 v1(117.75,103.95) ; v1(137.64,104.28) 137.61,104.25 J7.17 ; C121.2 120.37,124.9 v1(120.36,124.92) ; C121.2 121.3,123.88 v1(121.32,123.9) ; v1(96.01,117.77) 96,117.76 U19.8 ; v1(137.64,118.48) 137.64,118.47 J6.17 ; C363.2 117.16,24.88 117.16,25.02 117.2,25.06 117.22,25.06 v2(117.22,25.29) ; 119,97.17 U3.B9 118.99,96.47 v1(119.03,96.43) ; J8.17 137.61,89.98 v1(137.79,90.16) ; U3.J2 113.4,102.77 v1(113.79,103.16) ; R25.1 v1(112.6,107.71) ; v1(145.69,75.93) 145.7,75.93 C377.2 ; C210.2 v1(120.57,110.3) ; U3.E1 116.79,103.77 116.79,103.77 v1(116.99,103.97) ; C345.2 136.31,54.48 v2(136.3,54.5) ; C345.2 v2(135.13,53.12) ; LD2.1 73.38,77.61 v1(73.35,77.58) ; U3.T9 107.82,97.17 ; 113.48,110.21 113.47,110.2 ; R97.1 v1(112.24,117.11) ; C115.2 101.53,126.74 v1(101.52,126.73) ; 92.73,130.68 v1(92.73,132.27) ; C140.2 122.52,23.6 v1(122.51,23.59) ; v1(99.69,120.38) 100.01,120.38 100.3,120.09 100.41,120.09 100.55,119.96 C90.2 ; U3.D8 117.73,98.31 ; v1(137.72,94.78) 137.71,94.78 J8.11 ; v1(117.87,121.25) 117.86,121.23 C125.2 ; 120.53,25.27 120.53,24.73 v1(120.57,24.69) ; 113.52,113.79 v1(113.51,113.8) 113.51,113.35 C196.2 113.52,113.34 113.52,113.46 ; J8.20 135.06,87.58 v1(135.05,87.57) ; v1(90.17,132.24) 90.19,132.22 90.19,130.68 ; 161.18,45.29 162.09,45.29 v1(162.1,45.28) ; 111,97.17 U3.M9 110.99,96.59 v1(111.04,96.55) ; v1(166.99,55.45) 166.99,55.44 165.04,55.44 ; C43.2 v1(162.84,42.3) ; v1(135.03,116.12) 135.07,116.07 J6.20 ; C330.2 133.74,47.3 133.76,47.28 ; C330.2 v2(135,48.48) ; U3.G9 114.99,97.17 ; R102.1 v1(123.65,114.03) ; 165.04,56.94 166.74,56.94 v1(166.99,56.7) ; C340.2 135.28,48.45 ; C18.2 107.59,106.71 v1(107.58,106.71) ; R99.1 123.65,117 v1(123.66,116.99) ; U3.B3 119.02,101.97 v1(119.4,102.35) ; 114.97,97.97 v1(114.58,98.36) ; v1(145.87,95.19) 145.86,95.18 J8.10 ; U3.F9 115.79,97.19 ; 113.54,110.21 112.98,110.21 ; v1(146.13,50.15) 146.13,49.9 146.59,49.44 C46.2 ; C23.2 113.39,106.88 v1(113.37,106.9) ; U16.8 94.85,120.67 v1(94.84,120.66) ; C56.2 152.97,53.11 v1(152.98,53.1) 152.99,53.11 C79.2 ; 116.58,97.99 v1(116.2,98.36) ; U3.G8 115,97.97 ; 111.63,107.04 v1(111.63,107.8) ; 153.31,13.89 v1(153.3,13.88) ; R61.1 v1(112.92,112.46) ; J6.11 137.71,123.27 v1(137.72,123.28) ; C48.2 v1(151.97,39.48) ; R65.1 v1(149.17,39.48) ; C51.2 v1(152.71,39.48) ; C126.2 119.3,121.16 v1(119.32,121.17) ; R100.1 v1(123.66,118) ; 165.04,53.94 166.98,53.94 v1(166.99,53.96) ; J7.1 143.11,102.25 v1(143.1,102.25) ; v1(109.02,103.19) 109.39,103.56 U3.P1 109.4,103.57 ; 88.92,130.68 v1(88.92,132.32)
  Top w0.381: v1(109.52,78.55) 109.52,78.47 U1.N8 110.03,77.99 ; C287.2 125.34,56.72 v2(125.35,56.71) ; P1.g40 67.88,14.55 v1(68.35,15.02) ; P2.h12 66.64,120.12 v1(67.21,120.69) ; v1(68.48,17.69) 67.88,17.09 P1.g38 ; v1(67.21,20.23) 66.61,19.63 P1.h36 ; 114.03,73.93 U1.J12 114.44,73.56 v1(114.48,73.56) ; 106.95,77.08 106.56,77.47 ; v1(122.83,74.94) 122.82,74.96 U1.A11 ; U1.A9 122.6,76.96 v1(123.18,77.53) ; v1(72.29,38.01) 71.69,37.41 P1.d22 ; U1.T17 107.03,68.94 v1(106.58,68.49) ; v1(73.56,34.2) 72.96,33.6 P1.c25 ; v1(72.29,30.39) 71.69,29.79 P1.d28 ; v1(72.25,104.14) 72.2,104.14 P2.d25 ; U1.N6 109.97,79.96 v1(109.5,80.43) ; v1(73.56,114.34) 72.99,113.77 P2.c17 ; U1.C6 120.48,80.41 v1(120.48,80.44) ; P2.c33 72.99,93.45 v1(73.56,94.02) ; v1(68.48,21.5) 67.88,20.9 P1.g35 ; P2.d37 71.72,88.37 v1(72.29,88.94) ; v1(114.45,76.43) 114.03,76.01 U1.J10 ; v1(68.48,87.67) 67.91,87.1 P2.g38 ; v1(68.48,121.96) 67.91,121.39 P2.g11 ; v1(101.55,74.28) 101.71,74.28 U1.AA12 ; v1(68.48,59.6) 67.88,59 P1.g5 ; U1.D12 119.45,73.54 v1(119.46,73.54) ; P2.d28 71.72,99.8 v1(72.29,100.37) ; v1(73.56,95.29) 72.99,94.72 P2.c32 ; v1(116.48,81.44) 116.03,80.99 U1.G5 ; P2.h30 v1(65.99,97.85) ; v1(68.48,48.17) 67.88,47.57 P1.g14 ; U1.F5 117.48,81.41 v1(117.48,81.44) ; v1(118.47,65.51) 118.47,65.52 U1.E20 ; v1(116.48,76.36) 116.08,75.96 U1.G10 ; 94.16,113.76 95.33,113.76 U13.2 v2(96.6,113.8) ; P1.c33 72.96,23.44 v1(73.56,24.04) ; v1(104.55,64.49) 105.02,64.96 U1.V21 ; P2.g29 67.91,98.53 v1(68.48,99.1) ; v1(116.48,80.43) 116.03,79.98 U1.G6 ; v1(68.48,118.15) 67.91,117.58 P2.g14 ; v1(67.21,50.71) 66.61,50.11 P1.h12 ; v1(72.29,86.4) 71.72,85.83 P2.d39 ; U1.P11 108.58,75.41 v1(108.55,75.41) ; v1(73.56,39.28) 72.96,38.68 P1.c21 ; v1(101.56,63.47) 102.03,63.94 U1.AA22 ; v1(68.48,110.53) 67.91,109.96 P2.g20 ; v1(67.21,58.33) 66.61,57.73 P1.h6 ; v1(73.56,130.85) 72.99,130.28 P2.c4 ; U1.M19 110.59,66.52 v1(110.51,66.52) ; v1(118.47,82.41) 118.47,82.4 U1.E4 ; U1.L22 111.61,63.54 v1(111.61,63.54) ; U1.C16 v1(120.48,69.51) ; v1(68.48,64.68) 67.88,64.08 P1.g1 ; v1(72.29,119.42) 71.72,118.85 P2.d13 ; v1(100.55,77.38) 100.97,76.96 U1.AB9 ; U1.E11 118.47,75.4 v1(118.5,75.4) ; v1(73.56,125.77) 72.99,125.2 P2.c8 ; U1.B3 121.05,82.96 v1(121.5,83.41) ; U1.D8 v1(119.47,78.4) ; v1(68.48,44.49) 67.86,43.87 P1.g17 ; U1.A12 v1(122.49,73.5) ; P1.g20 67.88,39.95 v1(68.48,40.55) ; P2.c5 72.99,129.01 v1(73.56,129.58) ; P1.c1 73.65,64.08 v1(73.66,64.07) ; v1(68.48,134.66) 67.91,134.09 P2.g1 ; v1(115.47,79.41) 115.03,78.98 U1.H7 ; P1.d37 71.69,18.36 v1(72.29,18.96) ; P2.c24 72.99,104.88 v1(73.56,105.45) ; U1.E9 118.09,76.96 v1(118.52,77.38) ; P1.c38 v1(73.41,17.56) ; U1.P3 109.03,82.99 v1(108.55,83.48) ; v1(73.56,104.18) 72.99,103.61 P2.c25 ; v1(72.29,111.8) 71.72,111.23 P2.d19 ; P1.d13 71.69,48.84 v1(72.29,49.44) ; v1(72.29,41.82) 71.69,41.22 P1.d19 ; U1.T11 107.03,75.02 v1(106.64,75.41) ; P2.h36 66.64,89.64 v1(67.21,90.21) ; P2.h21 66.64,108.69 v1(67.21,109.26) ; U1.C12 v1(120.46,73.53) ; U1.F17 117.57,68.42 v1(117.65,68.42) ; v1(73.56,20.23) 72.96,19.63 P1.c36 ; v1(113.56,81.44) 113.08,80.96 U1.K5 ; P1.c12 72.96,50.11 v1(73.56,50.71) ; P2.h3 66.64,131.55 v1(67.21,132.12) ; P1.g8 67.88,55.19 v1(68.48,55.79) ; P2.h6 66.64,127.74 v1(67.21,128.31) ; U1.R10 108.03,75.99 107.59,76.43 v1(107.59,76.44) ; P1.c20 72.96,39.95 v1(73.56,40.55) ; P2.c16 72.99,115.04 v1(73.56,115.61) ; v1(72.29,127.04) 71.72,126.47 P2.d7 ; v1(73.56,59.6) 72.96,59 P1.c5 ; U1.J18 114.45,67.54 ; v1(67.21,24.04) 66.61,23.44 P1.h33 ; U1.AA2 101.95,83.96 v1(101.45,84.47) ; P2.h18 66.64,112.5 v1(67.21,113.07) ; v1(68.48,95.29) 67.91,94.72 P2.g32 ; v1(73.56,29.12) 72.96,28.52 P1.c29 ; v2(137.64,135.14) 137.63,135.15 J3.14 ; 105.5,82.46 106,81.96 U1.U4 ; v1(72.29,53.25) 71.69,52.65 P1.d10 ; v1(73.56,124.5) 72.99,123.93 P2.c9 ; U1.J8 114.03,77.98 v1(114.45,78.4) ; v1(67.21,54.52) 66.61,53.92 P1.h9 ; v1(102.54,81.6) 102.54,81.45 U1.Y5 ; v1(73.56,109.26) 72.99,108.69 P2.c21 ; v1(73.56,85.13) 72.99,84.56 P2.c40 ; P1.h3 66.61,61.54 v1(67.21,62.14) ; v1(68.48,125.77) 67.91,125.2 P2.g8 ; v1(73.56,100.37) 72.99,99.8 P2.c28 ; U1.D4 119.44,82.37 v1(119.53,82.37) ; U1.AB19 100.26,66.96 v1(100.25,66.97) ; v1(67.21,86.4) 66.64,85.83 P2.h39 ; U1.G7 v1(116.48,79.41) ; v2(121.49,56.78) 121.46,56.81 C283.2 ; P1.c8 72.96,55.19 v1(73.56,55.79) ; v1(123.16,80.48) 123.16,80.06 122.06,78.96 U1.A7 ; v1(72.29,45.63) 71.69,45.03 P1.d16 ; v1(110.54,75.65) 110.54,75.45 U1.M11 ; v1(73.56,120.69) 72.99,120.12 P2.c12 ; P2.h15 66.64,116.31 v1(67.21,116.88) ; P2.g40 67.86,84.63 v1(68.35,85.13) ; v1(68.48,129.58) 67.91,129.01 P2.g5 ; U1.R20 107.55,65.48 v1(107.52,65.48) ; U1.P9 v1(108.55,77.44) ; v1(112.47,84.44) 112.03,84 U1.L2 ; U1.D3 119.46,83.39 v1(119.46,83.43) ; v1(102.57,70.5) 102.57,70.5 U1.Y15 ; P2.g23 68.03,106.15 v1(68.48,106.59) ; v1(73.56,119.42) 72.99,118.85 P2.c13 ; P2.c36 72.99,89.64 v1(73.56,90.21) ; P1.d25 71.69,33.6 v1(72.29,34.2) ; P1.d2 71.69,62.81 v1(72.29,63.41) ; v1(122.52,84.43) 122.05,83.96 U1.A2 ; v1(103.59,67.54) 104.01,67.96 U1.W18 ; 115.1,77.06 v1(115.52,77.48) ; v1(73.56,134.66) 72.99,134.09 P2.c1 ; P2.c20 72.99,109.96 v1(73.56,110.53) ; P2.c38 72.99,87.1 v1(73.56,87.67) ; v1(116.48,78.4) 116.05,77.96 U1.G8 ; P1.h27 66.61,31.06 v1(67.21,31.66) ; v1(116.5,71.52) 116.47,71.52 U1.G14 ; P1.h15 66.61,46.3 v1(67.21,46.9) ; v1(67.21,94.02) 66.64,93.45 P2.h33 ; P1.g4 67.88,60.27 v1(68.48,60.87) ; P1.g29 67.88,28.52 v1(68.48,29.12) ; v1(73.56,44.36) 72.96,43.76 P1.c17 ; v1(107.59,73.51) 108.03,73.94 U1.R12 ; v1(67.21,105.45) 66.64,104.88 P2.h24 ; P2.d2 71.72,132.82 v1(72.29,133.39) ; U1.E12 v1(118.44,73.56) ; P1.c13 72.96,48.84 v1(73.56,49.44) ; P2.g26 67.91,102.34 v1(68.48,102.91) ; U1.G12 116.44,73.56 v1(116.48,73.56) ; P1.g11 67.88,51.38 v1(68.48,51.98) ; v1(72.29,107.99) 71.72,107.42 P2.d22 ; v1(72.29,58.33) 71.69,57.73 P1.d6 ; U1.V11 105,74.96 v1(104.55,75.41) ; v1(68.48,91.48) 67.91,90.91 P2.g35 ; v1(67.21,27.85) 66.61,27.25 P1.h30 ; U3.G9 115.01,97.15 v1(115.01,96.58) ; v1(68.48,114.34) 67.91,113.77 P2.g17 ; v1(108.55,79.41) 109,78.96 U1.P7 ; U1.K11 113.05,74.96 v1(113.5,75.41) ; v1(72.29,62.14) 71.69,61.54 P1.d3 ; U1.A5 123.25,82.18 123.25,82.5 ; v1(67.21,16.42) 66.61,15.82 P1.h39 ; v1(105.51,72.5) 105.51,72.48 U1.U14 ; v1(68.48,36.74) 67.88,36.14 P1.g23 ; P1.h18 66.61,42.49 v1(67.21,43.09) ; v1(103.45,78.52) 103.47,78.52 U1.W8 ; v1(72.29,57.06) 71.69,56.46 P1.d7 ; v1(72.29,132.12) 71.72,131.55 P2.d3 ; v1(72.29,16.42) 71.69,15.82 P1.d39 ; v1(73.56,30.39) 72.96,29.79 P1.c28 ; v1(67.21,124.5) 66.64,123.93 P2.h9 ; U1.P13 108.63,72.55 v1(108.55,72.55) ; U1.A3 122.69,83.62 v1(122.69,83.63) ; P1.c24 72.96,34.87 v1(73.56,35.47) ; P1.c9 72.96,53.92 v1(73.56,54.52) ; P1.h21 66.61,38.68 v1(67.21,39.28) ; 120.09,76.01 120.09,76.11 v1(120.47,76.49) ; v1(73.56,60.87) 72.96,60.27 P1.c4 ; v1(115.47,85.38) 115.05,84.96 U1.H1 ; v1(112.55,78.4) 112.11,77.96 U1.L8 ; U1.H11 115.03,74.98 v1(115.47,75.41) ; v1(73.56,25.31) 72.96,24.71 P1.c32 ; U1.C3 120.48,83.41 v1(120.52,83.41) ; P1.g32 67.88,24.71 v1(68.48,25.31) ; P2.h27 66.64,101.07 v1(67.21,101.64) ; v1(72.29,115.61) 71.72,115.04 P2.d16 ; P1.c40 72.96,14.55 v1(73.56,15.15) ; v1(68.48,32.93) 67.88,32.33 P1.g26 ; v2(96.65,115.1) 96.65,115.37 C80.2 ; v1(73.56,99.1) 72.99,98.53 P2.c29 ; U1.F11 117.47,75.4 v1(117.47,75.4) ; U1.M7 110.97,78.96 ; U1.A22 v1(122.58,63.41) ; U1.E7 118.06,78.96 ; P2.g4 67.91,130.28 v1(68.48,130.85) ; v1(72.29,128.31) 71.72,127.74 P2.d6 ; v1(115.54,64.46) 115.53,64.46 U1.H21 ; v1(116.48,77.38) 116.06,76.96 U1.G9 ; 110.97,78.99 v1(110.51,79.44) ; v1(72.29,123.23) 71.72,122.66 P2.d10 ; U1.K7 113.03,79.01 v1(113.44,79.41) ; U1.H9 115.05,76.96 ; C285.2 v2(123.29,56.71) ; U1.K15 113.03,70.93 v1(113.44,70.52) ; v1(67.21,35.47) 66.61,34.87 P1.h24 ; U1.R8 v1(107.59,78.4) ; U1.E5 v1(118.52,81.44) ; U1.T7 v1(106.58,79.41) ; P1.c16 72.96,45.03 v1(73.56,45.63) ; U1.N16 110.02,69.96 v1(109.56,69.51) ; U1.B12 v1(121.46,73.53) ; U1.C10 120.03,75.97 ; U1.T9 107.03,76.99